# Altium PCB 105358-3LA001-02_EFM1.5.PcbDoc (part 2 of 2)
Units mm, origin at the board's own origin, x right, y up, seen from the top; angles counter-clockwise.
Board outline 33.3 x 14.2 mm, 6 copper layers (Component Side, Inner Layer 1, Ground Plane (GND), Power Plane (VCC), Inner Layer 2, Solder Side), stack 0.975 mm thick; 79 components, 51 nets, 276 pads, 125 vias.
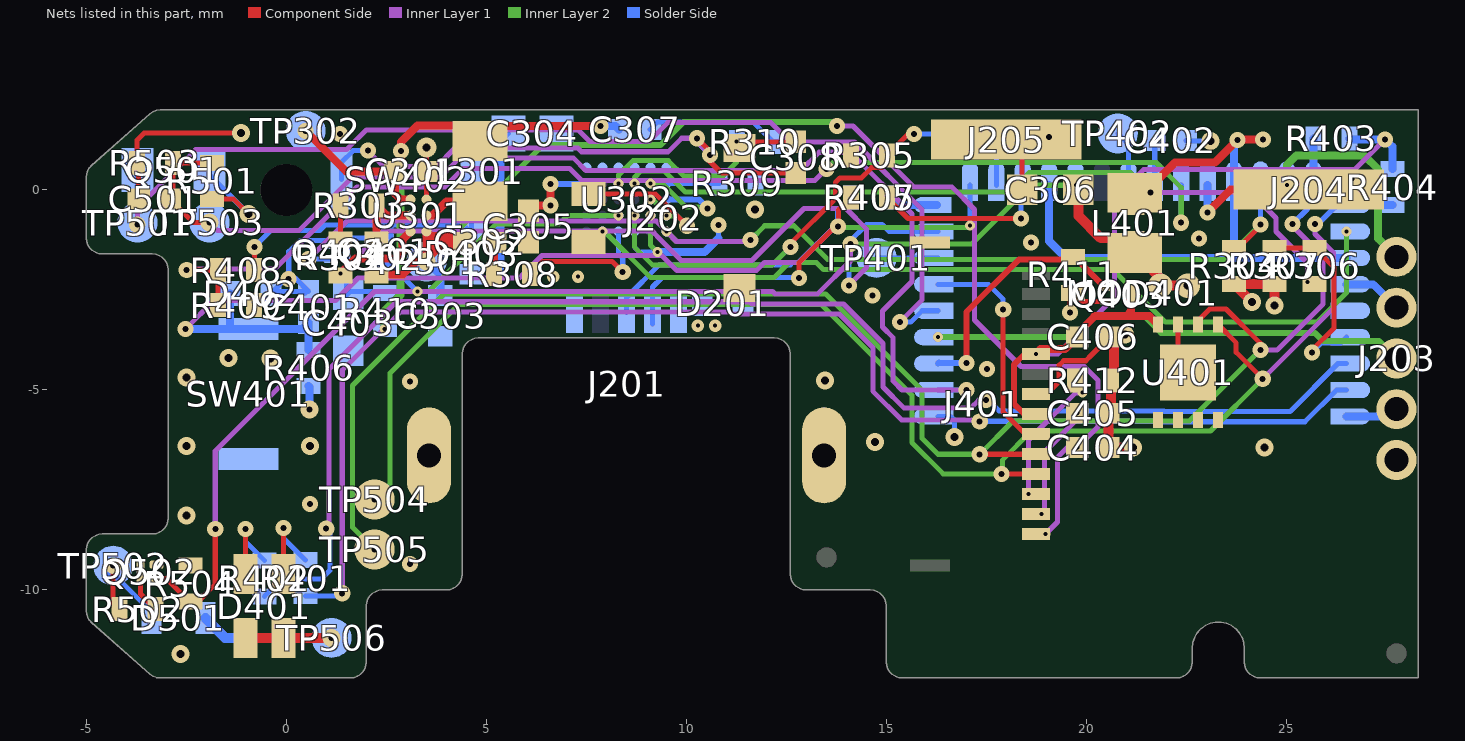
[diagram p6: the nets of this part, all layers, seen from the top]

## Via types
v1: diameter 0.401, hole 0.15, Component Side to Solder Side, tented both sides, 44 vias
v2: diameter 0.451, hole 0.2, Component Side to Solder Side, tented both sides, 19 vias
v3: diameter 0.25, hole 0.1, Inner Layer 2 to Solder Side, tented both sides, 18 vias
v4: diameter 0.25, hole 0.1, Component Side to Inner Layer 1, tented both sides, 8 vias
v5: diameter 0.41, hole 0.15, Component Side to Solder Side, tented both sides, 5 vias
v6: diameter 0.45, hole 0.15, Component Side to Solder Side, tented both sides, 5 vias
v7: diameter 0.401, hole 0.15, Component Side to Solder Side, tented top, 5 vias
v8: diameter 0.401, hole 0.15, Inner Layer 1 to Inner Layer 2, tented both sides, 5 vias
v9: diameter 0.401, hole 0.15, Component Side to Solder Side, 3 vias
v10: diameter 0.31, hole 0.1, Component Side to Solder Side, tented both sides, 3 vias
v11: diameter 0.61, hole 0.2, Component Side to Solder Side, tented both sides, 2 vias
v12: diameter 0.41, hole 0.15, Component Side to Solder Side, tented top, 1 vias
v13: diameter 0.401, hole 0.1, Inner Layer 2 to Solder Side, tented bottom, 1 vias
v14: diameter 0.25, hole 0.1, Component Side to Inner Layer 1, 1 vias
v15: diameter 0.401/0.401/0.401/0.401 (per signal layer), hole 0.15, Component Side to Solder Side, tented both sides, 1 vias
v16: diameter 0.401, hole 0.15, Inner Layer 1 to Inner Layer 2, 1 vias
v17: diameter 0.5, hole 0.2, Component Side to Solder Side, tented both sides, 1 vias
v18: diameter 0.31, hole 0.1, Component Side to Solder Side, tented top, 1 vias
v19: diameter 0.25, hole 0.1, Inner Layer 2 to Solder Side, 1 vias

## Nets (pads, with @x,y where several pads share a name; then routed paths per layer and width w, separated by ;. In a path a pad name is that pad's centre, name@x,y a point inside that pad or via, vN(x,y) a via of type N, cw(c..) or ccw(c..) an arc to the next point about the centre after c; other vN are vias at no path point)
3V: C305.2 C306.2 D401.1 D401.4 D501.1 J203.1 L401.2 Q403.S R406.1 R411.1 TP506.1 U302.F4 | length 13.9
  Component Side w0.127: v1(19.596,-3.063) 19.596,-2.641 R411.1@19.667,-2.57 19.889,-2.792 Q403.S@20.47,-2.792
  Component Side w0.2: C305.2@6.056,-0.523 6.197,-0.382 v1(6.606,-0.382) v1(6.606,0.149)
  Component Side w0.25: D401.4@-1.025,-11.205 D401.1@-0.075,-11.205 -0.067,-11.197 v6(1.132,-11.197) ; C306.2@19.794,0.01 19.806,-0.001 19.806,-0.647 20.363,-1.204 20.881,-1.204 20.996,-1.319 L401.2@21.21,-1.319 21.698,-1.807 21.698,-2.046 21.853,-2.201 v11(21.853,-2.391) v11(22.532,-2.391)
  Solder Side w0.15: v1(6.606,0.149) 7.492,0.149 U302.F4@7.506,0.164
  Solder Side w0.2: R406.1@0.556,-4.9 0.583,-4.926 v6(0.583,-5.487)
  Solder Side w0.25: D501.1@-2.025,-10.7 -1.528,-11.197 v6(1.132,-11.197)
5V_USB_IN_2: C304.1 D201.2 J201.1 U302.E5 U302.F5
  other v10: 10.29,-3.393 10.723,-3.393 7.293,-2.165
  other v18: 6.678,-2.165
9V: C302.2 C303.2 C404.1 J401.14 R302.1 TP301.1 U301.C2 | length 33.5
  Component Side w0.127: J401.14@18.74,-8.6 v4(18.977,-8.6)
  Component Side w0.2: R302.1@2.264,-2.144 R302.1@2.256,-2.136 2.283,-2.109 2.917,-2.109 3.24,-1.786 v6(3.506,-1.786) ; v6@3.511,-1.786 v6(3.506,-1.786) ; C302.2@4.35,-1.461 3.782,-1.461 v6@3.506,-1.737 ; v6(3.506,-1.786) v6@3.506,-1.737 ; v6@3.506,-1.737 3.506,-1.462 ; 3.506,-1.462 3.655,-1.313 C302.2@4.447,-1.313 4.285,-1.151 3.621,-1.151 U301.C2@3.506,-1.036 3.506,-1.462
  Inner Layer 1 w0.127: v8(13.773,1.598) 14.165,1.598 15.693,0.07 16.646,0.07 17.205,-0.489 17.205,-3.253 18.367,-4.416 19.95,-4.416 20.292,-4.758 20.292,-5.921 v4(19.774,-6.439) 19.525,-6.439 19.279,-6.684 19.279,-8.298 v4(18.977,-8.6)
  Inner Layer 2 w0.15: v6(3.506,-1.786) 6.418,1.126 9.358,1.126 9.927,1.695 13.675,1.695 v8(13.773,1.598)
  Solder Side w0.2: v6(3.506,-1.786) 3.85,-2.13 C303.2@3.85,-2.658
AUX_3V_4: C406.2 J401.5 J401.8 Q403.D R403.1 R404.1 U401.8 | length 20.6
  Component Side w0.15: J401.8@18.74,-5.6 18.448,-5.6 18.188,-5.34 18.188,-4.366 18.454,-4.1 v4(18.74,-4.1)
  Component Side w0.2: v4(18.74,-4.1) 18.861,-3.979 19.47,-3.979 C406.2@19.774,-3.674 19.774,-3.593 20.211,-3.156 21,-3.156 ; Q403.D@21.12,-2.618 21.12,-3.037 21,-3.156 ; U401.8@21.79,-3.365 21.581,-3.156 21,-3.156
  Inner Layer 1 w0.127: v4(18.74,-4.1) 19.287,-4.1 20.709,-2.678 20.709,-0.216 21.437,0.512 26.71,0.512 v1(27.465,1.268)
  Solder Side w0.2: R403.1@26.575,1.289 26.596,1.268 v1(27.465,1.268) 27.65,1.083 R404.1@27.65,0.524
AUX_CONTROL_4: MOD401.30 Q403.G R411.2 | length 6.4
  Component Side w0.15: v1@16.976,-4.328 v1(17.003,-4.328) 17.003,-3.051 18.312,-1.742 19.595,-1.742 R411.2@19.667,-1.67 19.697,-1.67 Q403.G@20.47,-2.442
  Solder Side w0.15: MOD401.30@16.29,-4.339 16.315,-4.315 16.328,-4.328 v1(17.003,-4.328)
BLE_VDD_4: L401.1 MOD401.7 MOD401.13 MOD401.20 | length 16.6
  Component Side w0.2: L401.1@20.842,-0.064 L401.1@21.21,-0.064 L401.1@21.465,-0.064 ; L401.1@21.21,-0.319 L401.1@21.465,-0.064 ; L401.1@21.605,-0.064 L401.1@21.465,-0.064 ; v1(24.413,1.268) 23.796,1.268 v1(23.782,1.253) 23.216,0.687 22.217,0.687 L401.1@21.465,-0.064
  Solder Side w0.2: MOD401.20@19.071,0.118 19.071,-1.274 19.494,-1.698 23.696,-1.698 ; v1(23.782,1.253) 23.694,1.166 MOD401.13@23.694,0.512 MOD401.13@23.694,0.118 23.694,-1.695 23.696,-1.698 ; MOD401.7@26.501,-1.698 23.696,-1.698
CHARGER_SD: MOD401.12 Q402.G R304.1 U302.A1 | length 30.1
  Component Side w0.127: R304.1@23.696,-1.448 23.801,-1.448 24.354,-0.895 v1(24.354,-0.86)
  Inner Layer 1 w0.127: v7(0.557,-1.731) 1.515,-0.773 9.248,-0.773 9.541,-1.066 9.541,-1.07 9.756,-1.286 11.638,-1.286 v16(11.603,-1.251)
  Inner Layer 2 w0.127: v3(9.506,-1.036) 9.756,-1.286 11.568,-1.286 v16(11.603,-1.251) 11.959,-0.895 12.69,-0.895 13.534,-1.739 23.476,-1.739 v1(24.354,-0.86)
  Solder Side w0.127: v7(0.557,-1.731) v7@0.551,-1.726 ; Q402.G@1.109,-1.726 v7@0.551,-1.726 ; v1@24.354,-0.895 v1(24.354,-0.86) MOD401.12@24.354,0.118 ; v7@0.551,-1.726 0.537,-1.726 0.544,-1.719 v7@0.551,-1.726
CMOD_TOUCH_4: C402.1 MOD401.16 | length 1.5
  Solder Side w0.127: C402.1@21.71,1.239 21.71,0.121 MOD401.16@21.713,0.118 MOD401.16@21.713,0.512
DISP_IREF_4: J401.12 R412.1 | length 3.8
  Component Side w0.127: v4(18.558,-7.6) J401.12@18.74,-7.6 ; R412.1@19.714,-4.76 19.714,-4.876 v4(19.907,-5.069)
  Inner Layer 1 w0.127: v4(18.558,-7.6) 18.558,-6.248 19.737,-5.069 v4(19.907,-5.069)
DISP_VCOMH_4: C405.2 J401.13 | length 3
  Component Side w0.15: J401.13@18.74,-8.1 v4(18.879,-8.1)
  Inner Layer 1 w0.127: v4(18.879,-8.1) 18.952,-8.026 18.952,-6.549 19.774,-5.727 v4(19.774,-5.581)
DOUT_DISP_RESET_4: J401.9 MOD401.27 | length 5.7
  Component Side w0.127: v12(17.922,-2.987) 17.922,-5.552 18.471,-6.1 J401.9@18.74,-6.1
  Solder Side w0.127: MOD401.27@16.29,-2.358 17.55,-2.358 17.922,-2.73 v12(17.922,-2.987)
GND: C301.1 C302.1 C303.1 C304.2 C305.1 C306.1 C307.1 C308.1 C401.1 C402.2 C403.1 C404.2 C405.1 C406.1 C501.1 D201.1 D402.1 D403.1 J201.5 J201.SH J202.1 J202.3 J203.2 J205.1 J401.7 J401.SH MOD401.1 MOD401.5 MOD401.32 Q402.S Q502.S R301.2 R303.2 R304.2 R305.2 R307.2 R308.2 R309.1 R310.1 R409.1 R412.2 R503.2 R504.2 SW401.1 U301.A2 U302.A3 U302.B2 U302.B4 U302.C1 U401.1 U401.2 U401.3 U401.4 U401.7 U401.9 | length 41.9
  Component Side w0.127: C501.1@-3.692,-0.222 -3.692,0.636 R503.2@-3.734,0.678 -3.734,1.245 -3.554,1.425 v2(-1.133,1.425) ; R301.2@1.356,-1.236 R303.2@1.356,-0.386 ; U301.A2@3.506,-0.236 3.506,0.454 C301.1@3.496,0.464 3.506,0.474 v17(3.506,1.064) ; R308.2@5.196,-2.106 5.227,-2.075 C302.1@5.227,-1.313 ; J202.3@11.326,1.054 11.477,1.204 C308.1@12.736,1.204 ; J205.1@17.995,1.262 18.397,0.86 C306.1@18.397,0.01 ; J401.7@18.74,-5.1 19.009,-5.1 19.324,-4.786 19.324,-4.381 19.435,-4.269 19.986,-4.269 20.131,-4.125 20.133,-4.125 20.245,-4.013 20.245,-4.011 20.554,-3.702 C406.1@20.554,-3.674 ; U401.7@22.29,-3.365 22.29,-4.31 U401.9@22.54,-4.56
  Component Side w0.25: C406.1@20.554,-3.702 20.692,-3.84 20.692,-4.682 R412.2@20.614,-4.76 20.614,-5.521 C405.1@20.554,-5.581 C404.2@20.554,-6.439 20.559,-6.444 v2(21.163,-6.444) ; C406.1@20.554,-3.674 20.592,-3.712 20.71,-3.594 20.725,-3.609 v2(20.967,-3.609) ; v2(24.146,-2.798) R304.2@23.696,-2.348 R307.2@24.701,-2.348 24.707,-2.355 v2(24.707,-2.888)
  Inner Layer 2 w0.127: v3(9.106,-0.636) 9.106,-1.381 v19(9.282,-1.556) ; v3(9.106,0.164) 9.116,0.154 9.411,0.154 9.987,-0.422 10.493,-0.422 v1(10.534,-0.464)
  Solder Side w0.127: D402.1@-0.408,-2.536 D402.1@-0.333,-2.536 ; D402.1@-0.384,-2.586 D402.1@-0.333,-2.536 ; C401.1@0.456,-2.586 C401.1@0.506,-2.536 ; Q402.S@1.109,-1.376 1.001,-1.267 0.525,-1.267 0.339,-1.268 0.062,-1.545 0.062,-2.214 v1(0.056,-2.22) ; C304.2@5.324,1.188 C304.2@5.553,1.417 ; U302.C1@8.706,-1.036 8.706,-1.43 8.832,-1.556 v19(9.282,-1.556) ; C307.1@9.096,1.514 9.277,1.694 11.676,1.694 R310.1@12.166,1.204 ; v3(9.106,-0.636) U302.B2@9.118,-0.636 ; 10.802,-1.209 v1(10.802,-0.871) ; MOD401.32@16.29,-5.66 16.605,-5.66 16.71,-5.765 v2(16.71,-6.176) ; C402.2@22.49,1.239 22.502,1.227 v2@23.1,1.227 ; D402.1@-0.333,-2.536 0.506,-2.536 C401.1@0.556,-2.536 0.241,-2.22 v1(0.056,-2.22) ; D402.1@-0.333,-2.536 -0.018,-2.22 v1(0.056,-2.22)
  Solder Side w0.15: U302.A3@9.506,-0.236 10.306,-0.236 v1(10.534,-0.464)
  Solder Side w0.2: v19(9.282,-1.556) 10.455,-1.556 10.802,-1.209 ; J201.SH@13.446,-6.636 J201.SH@13.446,-5.542 ; MOD401.1@26.501,-5.66 MOD401.1@26.894,-5.66 27.577,-5.66 J203.2@27.756,-5.481
  Solder Side w0.25: 5.324,-2.058 C304.2@5.324,1.188
  other v1: 3.087,-9.354 0.588,-7.852 3.087,-4.786 17.522,-4.475 14.654,-2.643 18.622,-1.312 22.815,-1.213 1.341,1.4
  other v2: -2.642,-11.599 -2.5,-8.137 24.45,-6.444 -2.5,-6.404 0.588,-6.404 14.719,-6.3 13.463,-4.761 -2.5,-4.69 -0.394,-4.213 -1.442,-4.201 11.72,-0.492 23.1,1.23
  other v6: 19.065,1.32
  other v13: 26.652,0.279
I2C_SCL: J401.10 MOD401.10 R403.2 TP505.1 U401.6 | length 41.9
  Component Side w0.127: v7(17.336,-6.607) 18.676,-6.607 18.708,-6.576 18.736,-6.604 J401.10@18.74,-6.6 ; U401.6@22.79,-3.365 22.79,-3.271 23.086,-2.975 23.494,-2.975 24.35,-3.831 v1(24.35,-4)
  Inner Layer 1 w0.127: v7(17.336,-6.607) v7@17.336,-6.545 ; v1(24.35,-4) 24.771,-4 25.922,-2.849 25.922,-1.665 v1@25.255,-0.998 ; v1(25.151,-0.852) v1@25.151,-0.745
  Inner Layer 2 w0.127: v9(2.206,-8.986) 1.652,-8.432 1.652,-4.891 3.943,-2.6 13.483,-2.6 15.896,-5.013 15.896,-6.212 16.291,-6.607 v7(17.336,-6.607) 18.169,-5.774 22.576,-5.774 v1(24.35,-4)
  Solder Side w0.127: v1@25.234,-0.852 v1(25.151,-0.852) 25.53,-0.473 25.53,-0.027 MOD401.10@25.675,0.118
  Solder Side w0.2: MOD401.10@25.675,0.118 MOD401.10@25.675,0.512 R403.2@25.675,1.289
I2C_SDA: J401.11 MOD401.9 R404.2 TP504.1 U401.5 | length 39.1
  Component Side w0.127: v1(17.877,-7.096) 18.736,-7.096 J401.11@18.74,-7.1 ; U401.5@23.29,-3.365 23.748,-3.823 23.748,-4.058 v5(24.41,-4.72)
  Inner Layer 1 w0.127: v5(24.41,-4.72) 26.176,-2.954 26.176,-1.56 25.719,-1.102 v1(25.719,-0.851)
  Inner Layer 2 w0.127: v9(2.206,-7.736) 2.597,-7.345 2.597,-4.577 4.31,-2.864 13.374,-2.864 15.642,-5.132 15.642,-6.317 16.421,-7.096 v1(17.877,-7.096) 17.9,-7.073 17.9,-6.754 18.627,-6.028 23.103,-6.028 v5(24.41,-4.72)
  Solder Side w0.127: v1(25.719,-0.851) 25.795,-0.851 26.268,-0.377 MOD401.9@26.526,-0.377
  Solder Side w0.2: MOD401.9@26.526,-0.377 MOD401.9@26.894,-0.377 R404.2@27.65,-0.376 R404.2@27.65,-0.376
LED_A_4: MOD401.2 R401.1 | length 34.3
  Inner Layer 1 w0.127: v5(1.398,-10.087) 1.398,-4.507 2.858,-3.047 11.072,-3.047 11.129,-3.105 13.827,-3.105 14.663,-3.94 14.663,-5.029 15.386,-5.752 17.306,-5.752 v1(17.336,-5.782)
  Solder Side w0.127: R401.1@0.475,-10.151 1.334,-10.151 v5(1.398,-10.087) ; v1(17.336,-5.782) 21.778,-5.781 21.792,-5.795 25.463,-5.795 26.258,-5 MOD401.2@26.501,-5
LED_B_4: MOD401.3 R402.1 | length 35.6
  Inner Layer 1 w0.127: v5(0.998,-8.465) 1.071,-8.392 1.071,-4.475 2.753,-2.793 11.577,-2.793 11.634,-2.851 13.932,-2.851 14.917,-3.835 14.917,-4.924 15.439,-5.445 17.12,-5.445 17.311,-5.254 v1(17.495,-5.254)
  Solder Side w0.127: R402.1@-0.548,-10.159 -0.117,-9.728 0.872,-9.728 1.089,-9.511 1.089,-8.556 v5(0.998,-8.465) ; v1(17.495,-5.254) 17.549,-5.254 17.821,-5.527 21.944,-5.527 21.958,-5.541 25.093,-5.541 26.295,-4.339 MOD401.3@26.501,-4.339
MOUNT_SWITCH_4: MOD401.15 R408.2 R409.2 | length 30
  Component Side w0.127: v1(-2.489,-2.006) R408.2@-1.705,-2.006 R409.2@-1.705,-2.88
  Inner Layer 1 w0.127: v1(-2.489,-2.006) -2.454,-1.971 -0.282,-1.971 1.764,0.075 3.962,0.075 4.428,0.54 7.078,0.54 7.384,0.235 13.212,0.235 v8(13.502,0.524)
  Inner Layer 2 w0.127: v8(13.502,0.524) 13.666,0.688 21.742,0.688 22.373,0.057 v1(22.373,-0.819)
  Solder Side w0.127: v1(22.373,-0.819) MOD401.15@22.373,0.118
NetC308_2: C308.2 J202.2 SW402.1 U302.A2 U302.A5 U302.B3 U302.B5 | length 18
  Component Side w0.127: J202.2@7.551,-0.096 9.226,-0.096 v1@10.021,-0.891 ; v1(10.265,1.293) 10.592,0.966 v1(10.592,0.88) ; v1@10.543,0.761 10.879,0.424 C308.2@12.736,0.424
  Inner Layer 1 w0.127: v1(2.038,0.983) 2.438,0.583 3.752,0.583 4.217,1.048 7.288,1.048 7.381,0.956 9.547,0.956 9.884,1.293 v1(10.265,1.293) 10.265,1.206 v1(10.592,0.88)
  Inner Layer 2 w0.127: v3(9.106,-0.236) 9.152,-0.236 9.506,-0.59 v3(9.506,-0.636) 9.518,-0.648 9.777,-0.648 v1@10.021,-0.891
  Solder Side w0.127: SW402.1@1.381,0.264 1.381,0.691 1.674,0.983 v1(2.038,0.983) ; v1(10.265,1.293) 10.265,1.206 v1(10.592,0.88)
  other v1: 10.021,-0.895
NetC403_2: C403.2 Q401.G Q402.D R410.2 | length 3.1
  Solder Side w0.127: Q401.G@2.263,-1.206 1.629,-1.206 1.509,-1.325 Q402.D@1.509,-1.551 1.509,-2.615 1.499,-2.625 1.509,-2.625 1.598,-2.536 R410.2@2.469,-2.536
NetC501_2: C501.2 MOD401.31 R501.2 R503.1 TP503.1 | length 29.7
  Component Side w0.127: v6(-1.92,-0.812) -2.322,-0.812 C501.2@-2.912,-0.222 -2.834,-0.144 R503.1@-2.834,0.678 R501.2@-1.858,0.678
  Inner Layer 1 w0.127: v6(-1.92,-0.812) -1.715,-1.017 0.313,-1.017 1.659,0.329 3.857,0.329 4.322,0.794 7.183,0.794 7.489,0.489 12.869,0.489 13.324,0.943 14.101,0.943 15.642,-0.598 15.642,-2.288 14.903,-3.028 14.903,-3.424 15.171,-3.692 15.171,-4.78 15.39,-5 v1@16.997,-5
  Solder Side w0.127: MOD401.31@16.29,-5 MOD401.31@16.29,-5 v1(17.002,-4.999)
NetD401_2: D401.2 R401.2 | length 2.2
  Component Side w0.127: D401.2@-0.075,-9.605 v1(-0.075,-8.453)
  Solder Side w0.127: v1(-0.075,-8.453) -0.075,-8.701 R401.2@0.475,-9.251
NetD401_3: D401.3 R402.2 | length 2.1
  Component Side w0.127: D401.3@-1.025,-9.605 v9(-1.025,-8.479)
  Solder Side w0.127: v9(-1.025,-8.479) -1.025,-8.782 R402.2@-0.548,-9.259
NetD403_2: D403.2 Q401.S R408.1 SW402.2 | length 8
  Component Side w0.127: R408.1@-0.805,-2.006 -0.796,-1.997 v1(-0.796,-1.421)
  Solder Side w0.127: v1(-0.796,-1.421) -0.388,-1.014 0.42,-1.014 0.833,-1.013 0.968,-0.879 2.611,-0.879 ; Q401.S@2.613,-1.206 2.613,-0.88 2.611,-0.879 ; SW402.2@4.631,0.264 4.631,-1.081 4.429,-0.879 2.611,-0.879
NetD501_2: D501.2 R502.1 TP502.1 | length 3.3
  Component Side w0.127: v5(-4.327,-9.393) -4.327,-10.32 R502.1@-4.168,-10.479
  Solder Side w0.127: TP502.1@-4.419,-9.602 -4.419,-9.302 v5(-4.327,-9.393) -4.327,-9.595 -3.375,-10.547 D501.2@-3.375,-10.7
NetJ201_2: J201.2 R407.1 | length 7.3
  Component Side w0.127: v7(12.82,-2.206) 12.82,-1.819 13.804,-0.834 13.804,-0.502 R407.1@14.12,-0.187
  Solder Side w0.127: J201.2@9.156,-3.352 J201.2@9.156,-3.056 9.156,-2.428 9.393,-2.192 12.82,-2.192 v7(12.82,-2.206)
NetJ201_3: J201.3 R405.1 | length 7.2
  Solder Side w0.127: J201.3@8.506,-3.056 8.506,-2.69 9.324,-1.872 12.601,-1.872 12.658,-1.815 12.804,-1.815 13.785,-0.833 13.785,-0.521 R405.1@14.12,-0.187
NetJ203_3: J203.3 MOD401.29 | length 12.3
  Inner Layer 2 w0.15: v3(16.29,-3.679) 19.688,-3.679 20.186,-3.181 21.482,-3.181 21.87,-3.569 25.715,-3.569 25.924,-3.778 27.322,-3.778 J203.3@27.756,-4.211
  Inner Layer 2 w0.2: J203.3@27.756,-4.211 J203.3@27.756,-3.97
NetJ203_4: J203.4 MOD401.6 | length 1.5
  Solder Side w0.2: MOD401.6@26.501,-2.358 MOD401.6@26.894,-2.358 27.172,-2.358 J203.4@27.756,-2.941
NetJ203_5: J203.5 MOD401.11 | length 5.4
  Inner Layer 2 w0.2: v3(25.015,0.118) 25.015,0.629 25.251,0.865 26.948,0.865 27.297,0.516 27.297,-1.213 J203.5@27.756,-1.671
NetJ204_1: J204.1 MOD401.14 | length 3.5
  Component Side w0.2: v1(23.033,-0.566) 23.611,0.011 J204.1@25.561,0.011
  Solder Side w0.2: v1(23.033,-0.566) MOD401.14@23.033,0.118
NetL301_2: L301.2 U301.B2 | length 1.5
  Component Side w0.2: U301.B2@3.506,-0.636 3.656,-0.636 4.007,-0.286 L301.2@4.845,-0.286
NetMOD401_4: MOD401.4 R306.2 R307.1 | length 5.1
  Component Side w0.127: R307.1@24.701,-1.448 R306.2@25.705,-1.448 26.196,-1.939 26.196,-3.451 25.638,-4.009 v1(25.638,-4.063)
  Solder Side w0.127: v1(25.638,-4.063) 25.883,-3.819 26.361,-3.819 MOD401.4@26.501,-3.679
NetMOD401_8: MOD401.8 U302.E1 | length 21.7
  Inner Layer 2 w0.127: v3(7.906,-1.036) 7.956,-1.036 9.112,-2.191 12.193,-2.191 12.57,-1.815 13.25,-1.815 13.428,-1.993 20.669,-1.993 21.98,-3.304 25.383,-3.304 25.39,-3.296 25.779,-3.296 26.501,-2.575 v3(26.501,-1.037)
NetMOD401_19: MOD401.19 Q502.G R504.1 | length 29.8
  Component Side w0.127: Q502.G@-3.244,-9.717 -2.997,-9.717 -2.422,-10.292 R504.1@-2.398,-10.292 -2.209,-10.292 -1.776,-9.859 v1(-1.776,-8.477)
  Inner Layer 1 w0.127: v1(-1.776,-8.477) -1.776,-6.523 2.207,-2.539 12.16,-2.539 12.217,-2.597 13.284,-2.597 14.104,-1.777 v8(14.104,-1.348)
  Inner Layer 2 w0.127: v8(14.104,-1.348) 17.137,-1.348 18.179,-0.306 18.189,-0.306 18.613,0.118 v3(19.739,0.118)
  Solder Side w0.127: MOD401.19@19.731,0.118 v3(19.739,0.118)
NetMOD401_22: MOD401.22 R305.1 U302.C2 | length 12.8
  Component Side w0.127: v1(12.602,-1.424) 12.602,-1.345 13.729,-0.218 13.729,0.192 13.841,0.304 14.382,0.304 14.636,0.558 14.883,0.558 15.02,0.695 R305.1@15.02,0.865 15.558,1.403 v7(15.692,1.403)
  Inner Layer 2 w0.127: v3(8.706,-0.636) 8.7,-0.642 8.7,-1.421 9.151,-1.872 9.412,-1.872 12.154,-1.872 v1(12.602,-1.424)
  Solder Side w0.127: v7(15.692,1.403) 17.303,1.403 17.75,0.956 MOD401.22@17.75,0.512 MOD401.22@17.75,0.118
NetMOD401_25: MOD401.25 R301.1 U301.C1 | length 22.3
  Component Side w0.15: R301.1@1.356,-2.136 v14(1.356,-2.086)
  Component Side w0.2: R301.1@1.331,-2.111 1.733,-1.709 2.751,-1.709 2.901,-1.559 2.901,-1.241 U301.C1@3.106,-1.036
  Inner Layer 1 w0.127: v14(1.356,-2.086) 2.416,-1.027 9.143,-1.027 9.287,-1.171 9.287,-1.176 9.874,-1.763 11.644,-1.763 12.945,-0.462 13.992,-0.462 14.509,-0.979 14.509,-1.939 v7(14.065,-2.384)
  Solder Side w0.127: v7(14.065,-2.384) 14.065,-1.985 14.063,-1.982 14.063,-1.306 14.509,-0.86 14.893,-0.86 15.071,-1.037 MOD401.25@15.896,-1.037 MOD401.25@16.29,-1.037
NetMOD401_26: MOD401.26 TP401.1 | length 1.5
  Solder Side w0.127: TP401.1@14.753,-1.696 16.288,-1.696 MOD401.26@16.29,-1.698
NetMOD401_28: MOD401.28 Q501.2 TP501.1 | length 27.8
  Inner Layer 1 w0.127: v5(-3.724,-0.865) -3.72,-0.861 -3.72,-0.447 -2.264,1.009 1.503,1.009 1.559,1.065 1.563,1.065 2.002,1.504 7.295,1.504 7.589,1.21 9.06,1.21 9.534,1.684 12.117,1.684 12.603,1.197 14.206,1.197 15.896,-0.492 15.896,-2.747 v1(15.337,-3.306)
  Solder Side w0.127: v5(-3.724,-0.865) Q501.2@-3.724,0.263 ; v1(15.337,-3.306) 15.609,-3.306 MOD401.28@15.896,-3.019 MOD401.28@16.29,-3.019 ; Q501.2@-3.724,0.263 -3.72,0.267 Q501.2@-3.72,0.5 -3.724,0.496 Q501.2@-3.724,0.263
NetQ401_D: Q401.D U302.D2 | length 7
  Inner Layer 2 w0.127: v3(3.274,-2.538) 3.559,-2.538 5.252,-0.846 6.822,-0.846 7.032,-0.636 v3(8.306,-0.636)
  Solder Side w0.127: Q401.D@2.438,-1.856 2.673,-1.856 2.816,-1.998 2.816,-2.08 v3(3.274,-2.538)
NetQ501_1: Q501.1 R501.1 | length 2.6
  Component Side w0.127: R501.1@-1.858,-0.222 -1.325,-0.222 v2(-0.946,-0.601)
  Solder Side w0.127: Q501.1@-1.92,0.5 -1.92,0.373 v2(-0.946,-0.601)
NetQ502_D: Q502.D R502.2 | length 1.1
  Component Side w0.127: Q502.D@-3.644,-9.542 -3.644,-10.103 R502.2@-3.268,-10.479
NetR302_2: R302.2 R303.1 U301.B1 | length 1.8
  Component Side w0.2: R302.2@2.256,-1.236 R303.1@2.256,-0.386 2.506,-0.636 U301.B1@3.106,-0.636
NetR306_1: R306.1 U302.C4 | length 19.4
  Component Side w0.127: R306.1@25.531,-2.298 25.48,-2.348 R306.1@25.705,-2.348
  Inner Layer 1 w0.127: v8(21.605,-0.064) 24.111,-0.064 24.745,-0.698 24.745,-1.037 25.532,-1.824 v4(25.532,-2.299)
  Inner Layer 2 w0.127: v3(8.706,0.164) 8.706,0.313 8.872,0.479 9.445,0.479 9.976,-0.052 18.083,-0.052 18.569,0.434 21.106,0.434 v8(21.605,-0.064)
NetR308_1: R308.1 U302.D1 | length 3.9
  Component Side w0.127: R308.1@6.096,-2.106 6.003,-2.2 6.412,-1.79 8.146,-1.79 v1(8.411,-2.055)
  Solder Side w0.127: U302.D1@8.306,-1.036 8.306,-1.599 8.411,-1.703 v1(8.411,-2.055)
NetR309_2: R309.2 U302.A4 | length 1.3
  Solder Side w0.127: U302.A4@9.506,0.164 R309.2@10.826,0.164
NetR310_2: R310.2 U302.D4 | length 4.1
  Inner Layer 2 w0.127: v3(8.306,0.164) 8.306,0.376 8.664,0.733 9.55,0.733 9.941,0.343 10.905,0.343 11.256,0.694 v3(11.256,1.214)
P2.1_4: MOD401.17 TP402.1 | length 1.4
  Solder Side w0.127: TP402.1@20.789,1.413 21.052,1.15 MOD401.17@21.052,0.512 MOD401.17@21.052,0.118
P3.4_4: MOD401.21 R407.2 | length 4.4
  Component Side w0.127: R407.2@15.02,-0.187 15.545,-0.712 v1(18.368,-0.712)
  Solder Side w0.127: v1(18.368,-0.712) 18.368,0.075 MOD401.21@18.411,0.118
P3.5_4: MOD401.24 R405.2 | length 1.3
  Solder Side w0.2: R405.2@15.02,-0.187 15.21,-0.377 MOD401.24@15.896,-0.377 MOD401.24@16.264,-0.377
RESET_SWITCH_4: C401.2 D402.2 MOD401.23 R406.2 SW401.2 | length 26.8
  Inner Layer 1 w0.127: v1(-2.515,-3.471) -1.805,-2.762 1.23,-2.762 1.79,-2.202 5.825,-2.202 6.391,-1.636 9.388,-1.636 9.769,-2.017 11.749,-2.017 11.951,-1.815 12.815,-1.815 13.716,-0.914 v8(13.792,-0.914)
  Inner Layer 2 w0.127: v8(13.792,-0.914) 13.767,-0.938 17.038,-0.938 v3(17.09,-0.886)
  Solder Side w0.127: v3(17.09,-0.886) MOD401.23@17.09,0.118
  Solder Side w0.2: v1(-2.515,-3.471) SW401.2@-1.404,-3.471 ; D402.2@-1.404,-2.586 SW401.2@-1.404,-3.471 ; R406.2@0.556,-4 C401.2@0.556,-3.316 0.401,-3.471 SW401.2@-0.946,-3.471 SW401.2@-1.404,-3.471
VCC_SYS: C301.2 C307.2 L301.1 R410.1 TP302.1 U301.A1 U302.C5 U302.D5 | length 14.6
  Component Side w0.2: v1(0.484,1.477) 1.497,0.464 C301.2@2.716,0.464 ; U301.A1@3.106,-0.236 2.856,-0.236 2.716,-0.096 C301.2@2.716,0.464 ; L301.1@4.845,1.224 4.455,1.614 3.278,1.614 2.865,1.201 v15(2.865,0.974) 2.865,0.613 C301.2@2.716,0.464 ; L301.1@5.164,1.543 5.222,1.601 v1(7.854,1.601)
  Inner Layer 2 w0.2: v3(2.455,-3.472) 2.455,-3.022 2.854,-2.623 2.854,-2.051 2.849,-2.046 2.849,0.958 v15(2.865,0.974)
  Solder Side w0.2: v1(7.854,1.601) 8.229,1.601 C307.2@8.316,1.514
pads on no net: FIDU201.1 FIDU202.1 FIDU203.1 FIDU204.1 J201.4 J401. J401.1 J401.2 J401.3 J401.4 J401.6 MOD401.18 U302.B1 U302.C3 U302.D3 U302.E2 U302.E3 U302.E4 U302.F1 U302.F2 U302.F3

## Polygon pours and split planes (outlines as drawn)
GND on Solder Side "SS-GND_Right" (solid, remove dead copper, pour order 40): 28.3,-6.704 28.3,2 12.048,1.996 12.6,1.444 12.6,-6.704
GND on Solder Side "SS-GND_IOSIDE" (solid, remove dead copper, pour order 34): -5,-9 -5,-8.838 -4.762,-8.6 -3.35,-8.6 -3.095,-8.542 -2.95,-8.311 -2.95,-1.838 -3.188,-1.6 -4.762,-1.6 -5,-1.362 -5,-1.2 -5,1.596 -4.3,2 7.099,2 7.104,-1.247 10.032,-1.247 10.032,0.379 7.497,0.379 7.497,2 13.695,2 13.698,-3.7 4.638,-3.7 4.4,-3.938 4.4,-9.762 4.162,-10 2.238,-10 2,-10.238 2,-11.962 1.802,-12.16 1.628,-12.2 -3.465,-12.2 -5,-10.686
GND on Solder Side "SS-GND_SB03" (solid, pour order 16): 10.526,0.094 10.526,-0.236 11.106,-0.236 11.106,-1.58 10.256,-1.58 10.256,-0.996 10.026,-0.766 10.026,0.094
NetC308_2 on Solder Side "SS-NetC307_2" (solid, pour order 12): 8.856,0.434 8.856,0.934 10.006,0.934 10.006,1.543 10.856,1.543 10.856,0.664 10.626,0.664 10.396,0.434
5V_USB_IN_2 on Solder Side "NETC303_1_5VIN" (solid, pour order 2): 6.756,-1.664 7.639,-1.664 7.639,-2.402 5.706,-2.402 5.706,0.864 6.292,0.864 6.292,1.588 7.225,1.594 7.225,0.864 8.046,0.864 8.046,0.434 6.256,0.434 6.256,-0.886 6.756,-0.886
3V on Solder Side "Solder Side-3V" (solid, pour order 0): 6.856,0.364 6.256,0.364 6.256,-0.636 6.856,-0.636
BLE_VDD_4 on Solder Side "SS-BLE_VDD_4" (solid, pour order 30): 26.907,-1.865 26.907,-1.497 25.83,-1.497 25.563,-1.23 24.016,-1.23 23.893,-1.107 23.893,0.89 23.902,0.899 24.763,0.896 24.763,1.547 23.524,1.556 23.524,-0.262 23.53,-1.537 19.577,-1.537 19.275,-1.235 19.275,0.557 18.869,0.557 18.869,-0.263 18.885,-0.295 18.885,-1.343 19.407,-1.865
GND on Solder Side "SS-GND_9VRED" (solid, pour order 18): 3.214,-4.323 3.214,-3.068 4.335,-3.071 4.335,-1.45 5.646,-1.45 5.646,-3.523 5.646,-3.549 4.68,-3.563 4.44,-3.926 4.216,-4.323
VCC_SYS on Solder Side "Solder Side-VCC_SYS" (solid, remove dead copper, pour order 4): 7.5,2.014 8.706,2.014 8.706,1.014 8.856,0.864 8.856,0.434 8.046,0.434 8.046,0.864 7.5,0.864
5V_USB_IN_2 on Solder Side "SS-5V_USB_IN_2" (solid, pour order 10): 11.003,-3.653 11.003,-2.498 9.581,-2.498 9.581,-3.653
GND on Component Side "Component Side-GND_Right" (solid, remove dead copper, pour order 38): 26.996,-1.22 27.396,-0.82 27.889,-0.82 27.889,1.377 27.889,1.711 28.293,1.711 28.293,1.37 28.293,-1.22 28.3,-6.698 12.6,-6.698 12.6,1.532 12.687,2 23.18,2 28.295,1.995 28.32,1.98 28.32,1.54 23.398,1.54 23.388,1.531 23.388,-0.967 23.641,-1.22
GND on Component Side "Component Side-GND_IOSIDE" (solid, remove dead copper, pour order 32): -5,-1.346 -4.756,-1.599 -3.176,-1.599 -2.948,-1.827 -2.948,-8.361 -3.191,-8.604 -4.78,-8.604 -5.003,-8.827 -5,-10.697 -3.3,-12.2 1.732,-12.2 1.776,-12.156 1.804,-12.156 2.002,-11.957 2.002,-10.233 2.24,-9.995 4.165,-9.995 4.402,-9.757 4.402,-3.933 4.64,-3.696 13.695,-3.696 13.695,2.005 -3.313,2 -5,0.439
5V_USB_IN_2 on Component Side "CS-5V_USB_IN_2" (solid, pour order 8): 11.078,-3.699 11.078,-3.036 7.671,-3.036 7.671,-1.874 6.425,-1.874 6.425,-3.699
NetC308_2 on Component Side "Component Side-NetC307_2" (solid, pour order 26): 6.996,0.414 6.996,-0.636 9.591,-0.636 10.461,0.234 10.856,0.234 10.856,1.545 10.046,1.545 10.046,1.024 9.436,0.414
BLE_VDD_4 on Component Side "Component Side-BLE_VDD_4" (solid, pour order 36): 20.649,-0.45 20.639,-0.44 20.639,0.434 21.81,0.434 22.163,0.787 23.176,0.787 23.518,1.129 23.518,1.514 24.768,1.514 24.76,0.887 23.887,0.887 23.486,0.486 23.486,0.163 22.95,-0.373 20.692,-0.373
GND on Inner Layer 1 "IL1-GND_Right" (solid, remove dead copper, pour order 42): 28.3,-6.698 12.88,-6.698 12.6,-6.698 12.6,-3.938 12.362,-3.7 4.638,-3.7 4.4,-3.938 4.4,-9.762 4.162,-10 2.238,-10 2,-10.238 2,-11.962 1.762,-12.2 -4.3,-12.2 -4.712,-11.962 -5,-11.796 -5,1.596 -4.3,2 28.3,2
GND on Inner Layer 2 "IL2-GND_Right" (solid, remove dead copper, pour order 44): -5.001,0.319 -5.001,0.483 -4.693,0.791 -3.374,1.934 -3.244,2 28.299,2 28.299,-6.698 12.599,-6.698 12.599,-3.938 12.361,-3.7 4.637,-3.7 4.399,-3.938 4.399,-9.762 4.161,-10 2.237,-10 1.999,-10.238 1.999,-11.962 1.761,-12.2 -3.214,-12.2 -3.365,-12.143 -4.865,-10.819 -5,-10.683 -5,-9 -5,-8.838 -4.762,-8.6 -3.188,-8.6 -2.95,-8.362 -2.95,-1.838 -3.188,-1.6 -4.762,-1.6 -5,-1.362 -5.001,-1.2
GND on Ground Plane (GND) (split plane): 254 vertices, not listed, extent -4.49,-11.69 27.79,1.49
3V on Power Plane (VCC) (split plane): 254 vertices, not listed, extent -4.49,-11.69 27.79,1.49

## Other copper
Component Side:
  text ".Layer_Name" at -18.006,-17.22 h1
Inner Layer 1:
  text ".Layer_Name" at -18.006,-21.22 h1
Inner Layer 2:
  text ".Layer_Name" at -0.006,-17.22 h1
Solder Side:
  text ".Layer_Name" at 10.491,-21.22 h1
Ground Plane (GND) (plane layer: these items are gaps in the copper):
  rectangle: 24.211,-12.025 28.187,-6.773
  rectangle: 12.859,-9.911 24.639,-6.773
  rectangle: 15.219,-12.067 22.351,-9.663
  rectangle: 21.834,-10.922 24.92,-9.337
  text ".Layer_Name" at -18.006,-25.22 h1
Power Plane (VCC) (plane layer: these items are gaps in the copper):
  rectangle: 24.134,-11.99 28.206,-6.781
  rectangle: 13.09,-9.99 24.301,-6.781
  rectangle: 15.11,-11.973 22.481,-9.801
  rectangle: 21.045,-10.823 24.631,-9.712
  text ".Layer_Name" at -18.006,-29.22 h1

## Silkscreen, mask and mechanical layers (free items; w line width, h text height)
Top Overlay:
  text "L" at 0.538,-8.263 h1
  text "M" at 0.538,-9.551 h1
  text "105358-3LA001-01" at 15.329,-10.567 h0.8
  text ".Layer_Name" at 0.044,-25.087 h1
Bottom Overlay:
  text ".Layer_Name" at 10.491,-29.087 h1
Top Paste:
  text ".Layer_Name" at 17.994,-17.22 h1
Bottom Paste:
  text ".Layer_Name" at 17.994,-21.22 h1
Top Solder:
  text ".Layer_Name" at 17.994,-25.22 h1
Bottom Solder:
  text ".Layer_Name" at 17.994,-29.22 h1
Drill Guide:
  text ".Layer_Name" at 35.994,-29.22 h1
Mechanical 1:
  the board outline again, w0.01
  text ".Layer_Name" at 35.994,-17.22 h1
BRD_Outline:
  the board outline again, w0.01
  text ".Layer_Name" at 35.994,-21.22 h1
Drill Drawing:
  text ".Layer_Name" at 35.994,-25.22 h1

## Dimensions
-5,4.419 to 28.3,2.842 on Mechanical 15
30.044,2 to 30.221,-12.2 on Mechanical 15

## Text inside footprints (layer, text, board x,y; h text height)
MOD401: Non-printed "BLE Module" at 27.494,-10.786 h1 r270; Non-printed "CYBLE-014008-00" at 24.837,-3.958 h1; Non-printed "P31" at 17.444,1.089 h1 r270; Non-printed "VAN" at 18.769,1.089 h1 r270; Non-printed "P22" at 20.094,1.089 h1 r270; Non-printed "P30" at 21.394,1.089 h1 r270; Non-printed "P26" at 22.719,1.064 h1 r270; Non-printed "P12" at 24.056,1.157 h1 r270; Non-printed "P05" at 25.369,1.064 h1 r270; Non-printed "P37" at 16.785,1.071 h1 r270; Non-printed "P34" at 18.106,1.071 h1 r270; Non-printed "P23" at 19.427,1.071 h1 r270; Non-printed "P21" at 20.747,1.071 h1 r270; Non-printed "P13" at 22.068,1.071 h1 r270; Non-printed "VDR" at 23.389,1.071 h1 r270; Non-printed "P06" at 24.71,1.071 h1 r270; Non-printed "P15" at 28.694,-3.936 h1; Non-printed "P07" at 28.694,-2.586 h1; Non-printed "P14" at 28.769,-1.311 h1; Non-printed "P10" at 28.723,-4.619 h1; Non-printed "P01" at 28.698,-3.298 h1; Non-printed "VDD" at 29.028,-1.977 h1; Non-printed "P04" at 28.723,-0.656 h1; Non-printed "P11" at 28.719,-5.261 h1; Non-printed "GND" at 29.079,-5.965 h1; Non-printed "GND" at 15.337,-5.947 h1; Non-printed "P35" at 15.337,-0.664 h1; Non-printed "VREF" at 15.337,-1.985 h1; Non-printed "P36" at 15.337,-3.306 h1; Non-printed "P24" at 15.337,-4.626 h1; Non-printed "XRES" at 15.369,-3.986 h1; Non-printed "P32" at 15.319,-2.611 h1; Non-printed "P33" at 15.344,-1.311 h1; Non-printed "P25" at 15.319,-5.311 h1